# Altium PCB PCB1.PcbDoc
Units mil, origin at the board's own origin, x right, y up, seen from the top; angles counter-clockwise.
Board outline 1000 x 1330 mil, 2 copper layers (Top Layer, Bottom Layer); 28 components, 35 nets, 120 pads, 54 vias.
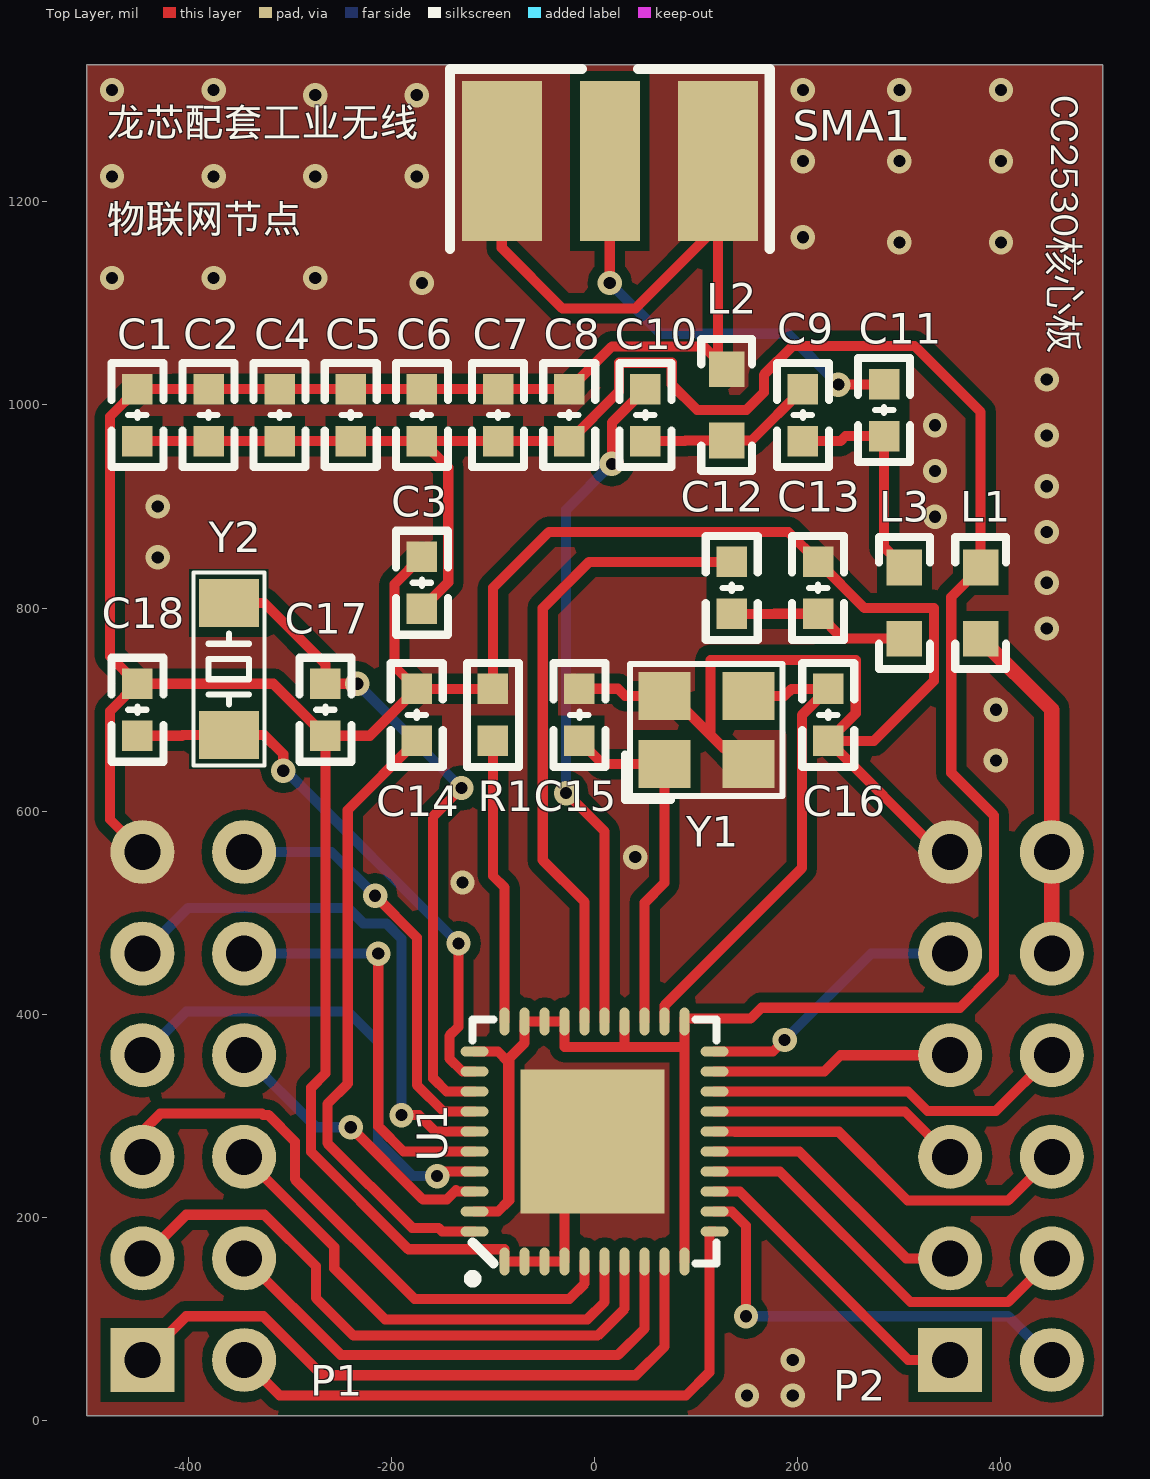
[diagram p0: Top Layer view]
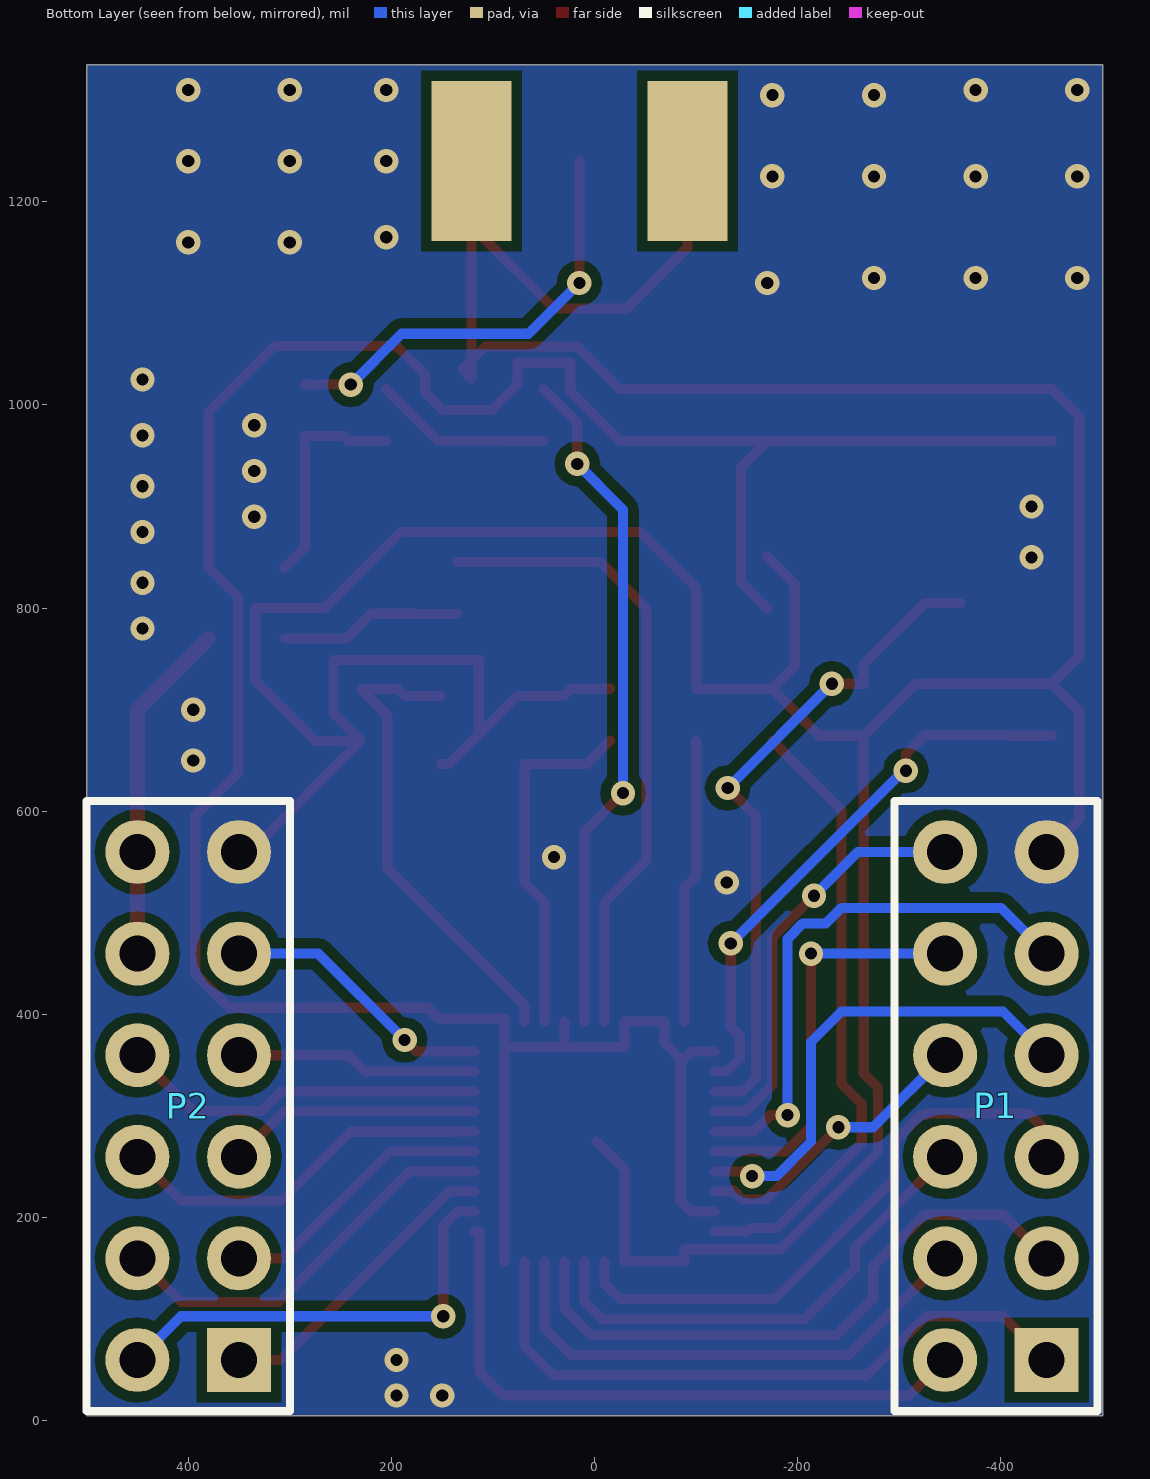
[diagram p1: Bottom Layer view, seen from below]

## Layer stack, top to bottom
Top Solder: solder mask 0.4, Solder Resist, Dk 3.5
Top Layer: signal copper 1.4
Dielectric 1: dielectric 12.6, FR-4, Dk 4.8
Bottom Layer: signal copper 1.4
Bottom Solder: solder mask 0.4, Solder Resist, Dk 3.5

## Board outline
-500,5 -500,1335 500,1335 500,5

## Design rules (kind name [scope] priority, off if disabled: settings)
Clearance [All] p1: gap=6 except(10: Arc-Poly Track-Poly SMDPad-Poly THPad-Poly Via-Poly Fill-Poly Poly-Poly)
MinimumSolderMaskSliver [All] p1: minsoldermaskwidth=4
PolygonConnect [All] p1: connectstyle=Direct reliefconductorwidth=10 reliefentries=4 polygonreliefangle="90 Angle" airgapwidth=10
RoutingVias [All] p1: holewidth=12 width=24 viastyle="Through Hole" minholewidth=1 minwidth=12 maxholewidth=13 maxwidth=27
SilkToSilkClearance [All] p1 off: silktosilkclearance=4
SilkToSolderMaskClearance [IsPad] p1 off: minsilkscreentomaskgap=4 clearancetoexposedcopper=TRUE
SolderMaskExpansion [All] p1: expansion=0 useseparateexpansions=TRUE expansionbottom=0
Width Width_1 [InNet('VCC')] p1: maxlimit=18 minlimit=10 preferedwidth=15
Width [All] p2: maxlimit=10 minlimit=10 preferedwidth=10
27 further rules are at their usual default settings.

## Components (designator, comment, footprint, x,y, rotation, side; value= is the part's Value field where it differs from the comment)
C1 "1uF" "C 0603_L" -450,990 r270 top
C2 "0.1uF" "C 0603_L" -380,990 r90 top
C3 "0.1uF" "C 0603_L" -170,825 r270 top
C4 "0.1uF" "C 0603_L" -310,990 r270 top
C5 "0.1uF" "C 0603_L" -240,990 r270 top
C6 "0.1uF" "C 0603_L" -170,990 r270 top
C7 "220pF" "C 0603_L" -95,990 r270 top
C8 "2.2uF" "C 0603_L" -25,990 r270 top
C9 "1pF" "C 0603_L" 205,990 r270 top
C10 "18pF" "C 0603_L" 50,990 r90 top
C11 "2.2pF" "C 0603_L" 285,995 r90 top
C12 "18pF" "C 0603_L" 135,820 r90 top
C13 "1pF" "C 0603_L" 220,820 r270 top
C14 "1uF" "C 0603_L" -175,695 r90 top
C15 "27pF" "C 0603_L" -15,695 r270 top
C16 "27pF" "C 0603_L" 230,695 r90 top
C17 "15pF" "C 0603_L" -265,700 r90 top
C18 "15pF" "C 0603_L" -450,700 r270 top
L1 "2nH" "L 0603" 380,805 r270 top
L2 "2nH" "L 0603" 130,1000 r90 top
L3 "2nH" "L 0603" 305,805 r90 top
P1 "" HDR2.54-LI-2x6P -395,310 r90 bottom locked
P2 "" HDR2.54-LI-2x6P 400,310 r90 bottom locked
R1 "56K" "R 0603-HP_L" -100,695 r270 top
SMA1 "" SMA-KE 15,1240 r0 top
U1 "CC2530" QFN40 0,275 r90 top
Y1 "32M" "OSC 3225-4P" 110,680 r0 top
Y2 "32K" "OSC 3215-2P" -360,740 r270 top

## Footprints (in the part's own frame and the unit in brackets; to place one, negate y for a bottom-side part, rotate by r counter-clockwise, add the part's x,y. Pads: shape width x height; smd on the part's side, far side on the other; paste and mask are expansions set on the pad)
"C 0603_L" [mil] "无极性贴片电容                                       淘宝ID:黄晶宝石"
  rect 30x30 smd: 1(-25.59,0) 2(25.59,0)
  silkscreen extent -51,-26 51,26, body extent -31,-16 31,16, height 32
HDR2.54-LI-2x6P [mm] "双排排针，6x2脚 淘宝ID:黄晶宝石   店铺网址:https://shop463601444.taobao.com"
  rect 1.6x1.6 hole 0.9: 1(-6.35,-1.27)
  round 1.6 hole 0.9: 2(-6.35,1.27) 3(-3.81,-1.27) 4(-3.81,1.27) 5(-1.27,-1.27) 6(-1.27,1.27) 7(1.27,-1.27) 8(1.27,1.27) 9(3.81,-1.27) 10(3.81,1.27) 11(6.35,-1.27) 12(6.35,1.27)
  silkscreen extent -7.62,-2.54 7.62,2.54, body extent -7.62,-2.54 7.62,2.54, height 8.5
"L 0603" [mil] "小功率贴片电感        淘宝ID:黄晶宝石"
  rect 35x35 smd: 1(-35,0) 2(35,0)
  silkscreen extent -65,-25 65,25, body extent -31,-16 31,16, height 31
"OSC 3215-2P" [mm] "3.2*1.5*0.6mm(长宽高)                      淘宝ID:黄晶宝石"
  rect 1.2x1.5 smd: 1(-1.65,0) 2(1.65,0)
  silkscreen extent -2.41,-0.89 2.41,0.89, body extent -1.6,-0.75 1.6,0.75, height 0.61
"OSC 3225-4P" [mm] "3.2*2.5*0.7mm(长宽高)                         淘宝ID:黄晶宝石"
  rect 1.3x1.2 smd: 1(-1.05,-0.85) 2(1.05,-0.85) 3(1.05,0.85) 4(-1.05,0.85)
  silkscreen extent -2.03,-1.75 1.91,1.65, body extent -1.6,-1.25 1.6,1.25, height 0.7
QFN40 [mm] "6mm*6mm 封装库来自淘宝卖家 ID：黄晶宝石"
  oval 0.7x0.25 smd: 1(-3,2.25) 2(-3,1.75) 3(-3,1.25) 4(-3,0.75) 5(-3,0.25) 6(-3,-0.25) 7(-3,-0.75) 8(-3,-1.25) 9(-3,-1.75) 10(-3,-2.25) 21(3,-2.25) 22(3,-1.75) 23(3,-1.25) 24(3,-0.75) 25(3,-0.25) 26(3,0.25) 27(3,0.75) 28(3,1.25) 29(3,1.75) 30(3,2.25)
  oval 0.25x0.7 smd: 11(-2.25,-3) 12(-1.75,-3) 13(-1.25,-3) 14(-0.75,-3) 15(-0.25,-3) 16(0.25,-3) 17(0.75,-3) 18(1.25,-3) 19(1.75,-3) 20(2.25,-3) 31(2.25,3) 32(1.75,3) 33(1.25,3) 34(0.75,3) 35(0.25,3) 36(-0.25,3) 37(-0.75,3) 38(-1.25,3) 39(-1.75,3) 40(-2.25,3)
  rect 3.6x3.6 smd: 41(0,0.051)
  silkscreen extent -3.53,-3.05 3.05,3.14, body extent -3,-3 3,3, height 0.9
"R 0603-HP_L" [mil] "1/10W高精度贴片电阻       淘宝ID:黄晶宝石"
  rect 30x30 smd: 1(-25.59,0) 2(25.59,0)
  silkscreen extent -51,-26 51,26, body extent -31,-16 32,16, height 16
SMA-KE [mm] "SMA 偏脚射频天线座     淘宝ID:黄晶宝石"
  rect 1.5x4 smd: 1(0,0)
  rect 2x4 smd: 2(-2.7,0) 2(2.7,0)
  rect 2x4 smd far side: 3(-2.7,0) 3(2.7,0)
  silkscreen extent -4,-2.2 4,2.3, body extent -3.25,-1.3 3.25,12.2, height 3.75

## Part data
C1 C2 C3 C4 C5 C6 C7 C8 C9 C10 C11 C12 C13 C14 C15 C16 C17 C18: library part C
L1 L2 L3: library part L
P1 P2: library part CON12
R1: library part R
SMA1: library part SMA

## Via types
v1: diameter 24, hole 12, Top Layer to Bottom Layer, 54 vias

## Nets (pads, with @x,y where several pads share a name; then routed paths per layer and width w, separated by ;. In a path a pad name is that pad's centre, name@x,y a point inside that pad or via, vN(x,y) a via of type N, cw(c..) or ccw(c..) an arc to the next point about the centre after c; other vN are vias at no path point)
GND: C1.1 C2.2 C3.1 C4.1 C5.1 C6.1 C7.1 C8.1 C13.1 C14.2 C15.1 C16.1 C17.1 C18.1 L2.2 P1.11 P2.11 R1.1 SMA1.2 U1.1 U1.2 U1.3 U1.4 U1.41 Y1.2 Y1.4 | length 4597.2
  Top Layer w10: P1.11 -477,592 -477,698.6 C18.1 ; C3.1 -197,823.6 -197,742.59 C14.2 ; SMA1.2@-91.3,1240 -91.3,1154.57 -31.73,1095 40,1095 116.5,1171.5 121.3,1240 121.3,1026.3 L2.2 107.41,1057.59 16.99,1057.59 C8.1 C7.1 C6.1 C5.1 C4.1 -345.99,1015.59 C2.2 -415.99,1015.59 C1.1 -477,988.6 -477,752.59 C18.1 ; C15.1 23,720.59 30.13,713.46 Y1.4 76,713.46 114,675.46 ; U1.41 -29.53,247.47 U1.4 U1.3 U1.2 U1.1 -88.58,169 -183.31,169 -279,264.69 -279,328 -265,342 C17.1 ; Y1.2 142.93,646.54 114,675.46 ; P2.11 339.41,560 C16.1 ; C18.1 -316.18,725.59 C17.1 ; C17.1 -221.18,674.41 C14.2 ; C14.2 -138,720.59 R1.1 -100,820 -45,875 190.59,875 C13.1 265.59,800 334,800 334,728.41 275,669.41 C16.1 ; 114,675.46 114,749 257,749 257,696.4 C16.1
  other v1: 150,25 195,25 195,60 -130,530 40,555 395,650 395,700 445,780 445,825 -430,850 445,875 335,890 -430,900 445,920 335,935 445,970 335,980 445,1025 -170,1120 -475,1125 -375,1125 -275,1125 300,1160 400,1160 205,1165 -475,1225 -375,1225 -275,1225 -175,1225 205,1240 300,1240 400,1240 -275,1305 -175,1305 -475,1310 -375,1310 205,1310 300,1310 400,1310
NetC1_2: C1.2 C2.1 C3.2 C4.2 C5.2 C6.2 C7.2 C8.2 L1.1 U1.10 U1.21 U1.24 U1.27 U1.28 U1.29 U1.31 U1.39 | length 2907.7
  Top Layer w10: C1.2 -416,964.41 C2.1 -346,964.41 C4.2 C5.2 C6.2 ; C3.2 -144,825.42 -144,938.41 C6.2 ; U1.39 -95,206.1 -85,216.1 ; U1.31 -95,363.58 -85,353.58 -85,216.1 ; U1.24 29.53,368 ; U1.10 88.58,368 ; C6.2 C7.2 C8.2 24,1013.42 24,1041.59 76,1041.59 76,1020 101.06,994.95 149.32,994.95 166.64,1012.27 166.64,1029.64 195,1058 315,1058 380,993 L1.1 351,811 351,638 393,596 393,440 359.72,406.72 164.24,406.72 153.52,396 88.58,396 U1.21 88.58,368 ; -85,216.1 -84,217.1 -84,357 -68.9,372.1 U1.29 U1.28 U1.27 -29.53,368 29.53,368 ; 29.53,368 88.58,368
NetC9_1: C9.1 C10.1 L2.1 | length 176.2
  Top Layer w10: C10.1 89,964.41 89.59,965 L2.1 154.4,965 C9.1
NetC9_2: C9.2 C11.1 L3.2 | length 219.8
  Top Layer w10: C9.2 242,964.41 246.99,969.41 C11.1 285,860 L3.2
NetC10_2: C10.2 U1.25 | length 670.5
  Top Layer w10: v1(-28,618) 9.84,580.16 U1.25 ; v1(17,942) 17,982.58 C10.2
  Bottom Layer w10: v1(-28,618) -28,897 v1(17,942)
NetC11_2: C11.2 SMA1.1 | length 432
  Top Layer w10: v1(15,1120) SMA1.1 ; v1(240,1020) 285,1020 C11.2
  Bottom Layer w10: v1(15,1120) 65,1070 190,1070 v1(240,1020)
NetC12_1: C12.1 C13.2 L3.1 | length 180.1
  Top Layer w10: C12.1 177,794.41 C13.2 244.41,770 L3.1
NetC12_2: C12.2 U1.26 | length 628.8
  Top Layer w10: U1.26 -9.84,510.84 -51,552 -51,800 -5.41,845.59 C12.2
NetC14_1: C14.1 U1.40 | length 613.4
  Top Layer w10: C14.1 -243,601.4 -243,332 -263,312 -263,273.44 -179.56,190 -153.58,190 -150,186.42 U1.40
NetC15_2: C15.2 U1.23 Y1.1 | length 354.6
  Top Layer w10: C15.2 7.87,646.54 Y1.1 68.66,529.45 49.21,510 U1.23
NetC16_2: C16.2 U1.22 Y1.3 | length 475.8
  Top Layer w10: U1.22 68.9,409 204,544.1 204,694.58 C16.2 194.12,720.59 187,713.46 Y1.3
NetC17_2: C17.2 U1.33 Y2.1 | length 659.2
  Top Layer w10: Y2.1 -324.96,804.96 -265,745 C17.2 v1(-233.59,725.59) ; v1(-131,623) -158.89,595.11 -158.89,337.27 -145.83,324.21 U1.33
  Bottom Layer w10: v1(-233.59,725.59) v1(-131,623)
NetC18_2: C18.2 U1.32 Y2.2 | length 557.8
  Top Layer w10: C18.2 -406,674.41 -405.37,675.04 Y2.2 -325,675.04 -306.42,656.46 v1(-306.42,640) ; v1(-134,470) -134,387.89 -142.89,379 -142.89,356.79 -130,343.9 U1.32
  Bottom Layer w10: v1(-306.42,640) -304,640 v1(-134,470)
NetR1_2: R1.2 U1.30 | length 281
  Top Layer w10: R1.2 -100,536.42 -88.58,525 U1.30
P0_0: P2.7 U1.19 | length 238.6
  Top Layer w10: U1.19 226,343.9 242.1,360 P2.7
P0_1/BTN1: P2.8 U1.18 | length 362.6
  Top Layer w10: U1.18 308.42,324.21 327.63,305 395,305 P2.8
P0_2/RX: P2.5 U1.17 | length 250.3
  Top Layer w10: U1.17 305.47,304.53 P2.5
P0_3/TX: P2.6 U1.16 | length 377.8
  Top Layer w10: U1.16 138.16,284.84 138.29,284.71 240.29,284.71 308,217 407,217 P2.6
P0_4/BTN2: P2.3 U1.15 | length 275.4
  Top Layer w10: U1.15 201.43,265.16 306.59,160 P2.3
P0_5/BUT3: P2.4 U1.14 | length 402.9
  Top Layer w10: U1.14 182.38,245.47 310.86,117 407,117 P2.4
P0_6: P2.1 U1.13 | length 300.6
  Top Layer w10: U1.13 143,225.79 308.79,60 P2.1
P0_7: P2.2 U1.12 | length 444.6
  Top Layer w10: U1.12 135,206.1 149,192.1 v1(149,103)
  Bottom Layer w10: v1(149,103) 407,103 P2.2
P1_0: P1.2 U1.11 | length 625.6
  Top Layer w10: P1.2 -310,25 90,25 113,48 113,186.42 U1.11
P1_1: P1.1 U1.9 | length 651.1
  Top Layer w10: P1.1 -402,103 -326,103 -268,45 40.65,45 68.9,73.25 U1.9
P1_2: P1.4 U1.8 | length 510.2
  Top Layer w10: P1.4 -250,65 23.14,65 49.21,91.07 U1.8
P1_3: P1.3 U1.7 | length 617.3
  Top Layer w10: P1.3 -402,203 -325,203 -274.23,152.23 -274.23,120.88 -237.35,84 3,84 29.53,110.53 U1.7
P1_4/CSN: P1.6 U1.6 | length 480.5
  Top Layer w10: P1.6 -256.29,171.29 -256.29,150 -206.29,100 -7.21,100 9.84,117.06 U1.6
P1_5/SCLK: P1.5 U1.5 | length 592.7
  Top Layer w10: P1.5 -445,285 -427.5,302.5 -327.4,302.5 -326.12,301.22 -321.22,301.22 -295,275 -295,238 -177,120 -25,120 -9.84,135.16 U1.5
P1_6/MOSI: P1.8 U1.38 | length 290
  Top Layer w10: v1(-240,289) -169,218 -145.47,218 -136.45,227.02 -135.21,225.79 U1.38
  Bottom Layer w10: P1.8 -274,289 v1(-240,289)
P1_7/MISO: P1.7 U1.37 | length 471.1
  Top Layer w10: v1(-155,241) -150.53,245.47 U1.37
  Bottom Layer w10: P1.7 -402,403 -243,403 -213,373 -213,275 -179,241 v1(-155,241)
P2_0: P1.10 U1.36 | length 407.1
  Top Layer w10: v1(-213,460) -213,290.06 -188.09,265.16 U1.36
  Bottom Layer w10: P1.10 v1(-213,460)
P2_1/DD: P1.9 U1.35 | length 538.5
  Top Layer w10: v1(-190,301) -172.86,301 -156.7,284.84 U1.35
  Bottom Layer w10: P1.9 -400,505 -243,505 -227.77,489.77 -205,489.77 -190,474.77 v1(-190,301)
P2_2/DC: P1.12 U1.34 | length 417.8
  Top Layer w10: v1(-216,517) -174.89,475.89 -174.89,330.64 -148.78,304.53 U1.34
  Bottom Layer w10: P1.12 -259,560 v1(-216,517)
RESET: P2.9 U1.20 | length 271.8
  Top Layer w10: U1.20 175.58,363.58 v1(187,375)
  Bottom Layer w10: v1(187,375) 272,460 P2.9
VCC: L1.2 P2.10 P2.12 | length 339
  Top Layer w15: L1.2 450,700 P2.12 P2.10
pads on no net: SMA1.3

## Polygon pours and split planes (outlines as drawn)
GND on Top Layer "Mechanical 1-No Net" (solid, remove dead copper, pour order 12): -500,1335 500,1335 500,5 -500,5
GND on Bottom Layer "Mechanical 1-No Net" (solid, remove dead copper, pour order 14): -500,1335 500,1335 500,5 -500,5

## Silkscreen, mask and mechanical layers (free items; w line width, h text height)
Top Overlay:
  text "CC2530核心板" at 440,1305 h48 r270
  text "龙芯配套工业无线" at -480,1255 h48
  text "物联网节点" at -480,1160 h48
  text "P1" at -280,25 h30
  text "P2" at 235,20 h30
Mechanical 1:
  the board outline again, w10